# Altium PCB Carte_Alim.PcbDoc (part 2 of 2) (continued)
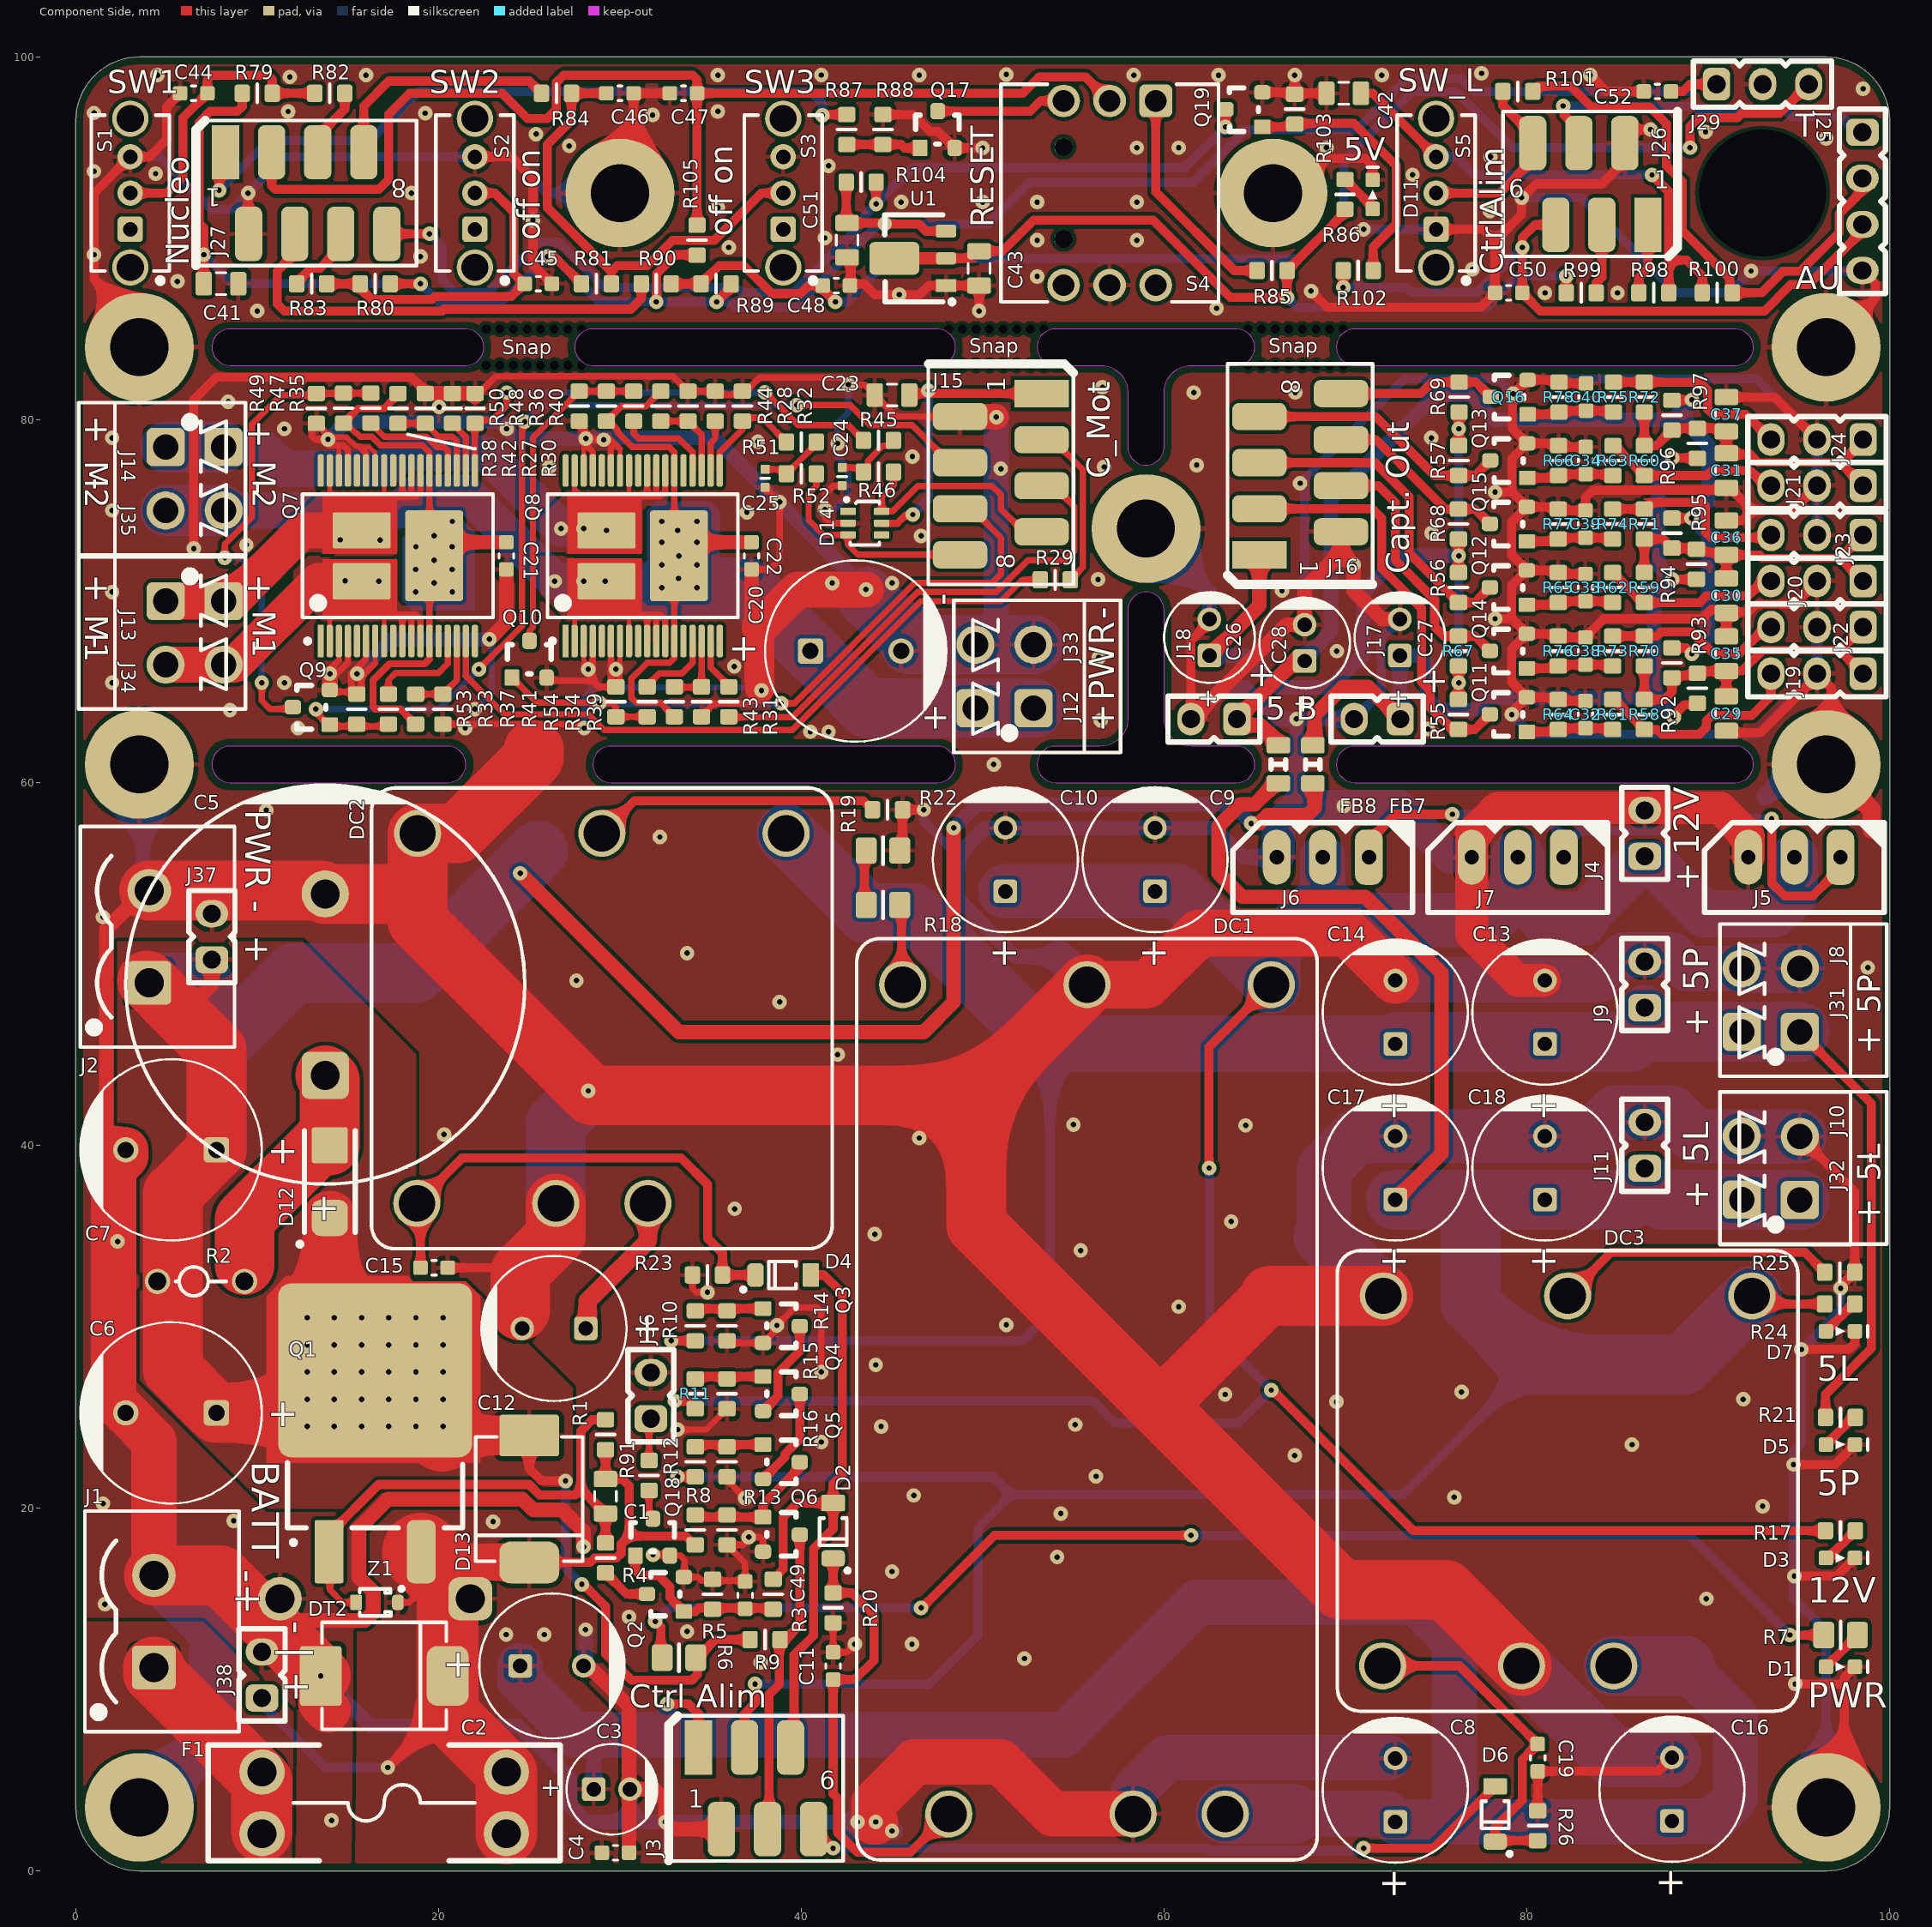
[diagram p0: Component Side view]
## Nets (pads, with @x,y where several pads share a name; then routed paths per layer and width w, separated by ;. In a path a pad name is that pad's centre, name@x,y a point inside that pad or via, vN(x,y) a via of type N, cw(c..) or ccw(c..) an arc to the next point about the centre after c; other vN are vias at no path point) (continued)
NetC38_1: C38.1 Q14.1 R73.2 R76.2 | length 4.7
  Component Side w0.5: Q14.1@79.996,66.297 81.603,66.297 R76.2@81.73,66.425 81.805,66.5 C38.1@83.23,66.5 R73.2@84.655,66.5
NetC39_1: C39.1 Q15.1 R74.2 R77.2 | length 4.7
  Component Side w0.5: Q15.1@79.996,73.297 81.602,73.297 R77.2@81.73,73.425 81.805,73.5 C39.1@83.23,73.5 R74.2@84.655,73.5
NetC40_1: C40.1 Q16.1 R75.2 R78.2 | length 4.7
  Component Side w0.5: Q16.1@80.036,80.297 81.642,80.297 R78.2@81.77,80.425 81.845,80.5 C40.1@83.27,80.5 R75.2@84.695,80.5
NetC44_1: C44.1 R79.1 R82.1 S1.2 | length 16.1
  Component Side w0.5: S1.2@3,92.5 4.995,92.5 5.9,93.405 5.9,96.65 C44.1@7.25,98 7.25,98.75 7.5,99 10.6,99 10.825,98.775 R79.1@10.825,98 R82.1@13.175,98
NetC45_1: C45.1 R80.1 R83.1 S2.2 | length 18.4
  Component Side w0.5: R83.1@13.825,87.5 15.425,87.5 16.298,86.627 19.627,86.627 19.8,86.8 24,86.8 24.7,87.5 24.159,88.041 24.159,91.441 23.1,92.5 S2.2@22,92.5
NetC46_1: C46.1 R81.1 R84.1 S3.2 | length 25.7
  Component Side w0.5: C46.1@29.25,98 R84.1@27.325,98 27.325,96.5 26,95.175 26,91.7 29.525,88.175 ; R81.1@29.525,87.5 29.525,88.175 ; S3.2@39,92.5 37.8,92.5 35.2,89.9 32.9,89.9 31.5,88.5 29.85,88.5 29.525,88.175
NetC48_1: C48.1 J29.3 R89.1 R90.1 | length 74.3
  Component Side w0.5: R90.1@32.825,87.5 R89.1@34.475,87.5 35.475,88.5 36.824,88.5 38.374,86.95 39.95,86.95 40.4,87.4 C48.1@41.175,87.4 41.175,87.2 v1@41.817,86.558 ; v1(89,95) 89,96.175 89.477,96.652 91.607,96.652 91.855,96.9 93.94,96.9 J29.3@95.54,98.5
  Solder Side w0.5: v1(41.874,86.501) 42.501,86.501 44.875,88.875 67.425,88.875 69.925,91.375 69.925,94.325 73.7,98.1 76.1,98.1 79.2,95 v1(89,95)
NetD1_2: D1.2 R7.1 | length 2.5
  Component Side w0.5: D1.2@96.49,11.25 98.225,12.985 R7.1@98.225,13
NetD3_2: D3.2 R17.1 | length 2.2
  Component Side w0.5: D3.2@96.49,17.25 96.615,17.25 R17.1@98.115,18.75
NetD5_2: D5.2 R21.2 | length 2.2
  Component Side w0.5: D5.2@96.49,23.5 97.99,25 R21.2@98.115,25
NetD7_2: D7.2 R24.2 | length 2.2
  Component Side w0.5: D7.2@96.49,29.75 97.99,31.25 R24.2@98.075,31.25
NetD11_2: D11.2 R86.2 | length 2.3
  Component Side w0.5: R86.2@69.975,93.249 70.025,93.249 70.2,93.074 70.2,93.024 71.35,91.874 71.35,91.774 D11.2@71.5,91.624
NetDC1_6: DC1.6 R18.1 | length 4.3
  Component Side w0.5: DC1.6@45.525,48.925 R18.1@45.525,53.25
NetDC2_4: DC2.4 R22.1 | length 15.9
  Component Side w0.5: DC2.4@29,57.2 30.8,59 43.425,59 R22.1@43.925,58.5
NetDC3_4: DC3.4 R25.1 | length 15.6
  Component Side w0.5: DC3.4@82.25,31.7 84.65,34.1 95.325,34.1 R25.1@96.425,33
NetJ19_3: J19.3 R58.1 R61.1 | length 11.7
  Component Side w0.5: R61.1@84.83,64.575 R58.1@86.48,62.925 87.175,62.925 87.45,62.65 89.5,62.65 89.9,63.05 89.9,63.4 90.2,63.7 92.4,63.7 93.46,64.76 J19.3@93.46,66
NetJ20_3: J20.3 R59.1 R62.1 | length 9.9
  Component Side w0.5: R62.1@84.73,71.575 86.38,69.925 89.525,69.925 89.9,70.3 92.2,70.3 93.01,71.11 J20.3@93.46,71.11
NetJ21_3: J21.3 R60.1 R63.1 | length 9.8
  Component Side w0.5: R63.1@84.83,78.575 R60.1@86.48,76.925 89.925,76.925 90.2,77.2 92.297,77.2 93.127,76.37 J21.3@93.46,76.37
NetJ22_3: J22.3 R70.1 R73.1 | length 9.9
  Component Side w0.5: R73.1@84.73,68.075 R70.1@86.48,68.075 87.175,68.075 87.4,68.3 89.1,68.3 90.3,67.1 91.7,67.1 93.17,68.57 J22.3@93.46,68.57
NetJ23_3: J23.3 R71.1 R74.1 | length 10.6
  Component Side w0.5: R74.1@84.73,75.075 R71.1@86.48,75.075 86.855,75.45 89.65,75.45 89.852,75.248 89.852,73.797 90.097,73.552 90.11,73.552 90.158,73.504 93.314,73.504 J23.3@93.46,73.65
NetJ24_3: J24.3 R72.1 R75.1 | length 10.6
  Component Side w0.5: R75.1@84.77,82.075 R72.1@86.48,82.075 89.525,82.075 89.973,81.627 89.973,80.59 90.266,80.297 92.073,80.297 J24.3@93.46,78.91
NetQ2_3: Q2.3 R4.2 | length 2.8
  Component Side w0.5: R4.2@29.2,16.425 30.362,15.263 Q2.3@31.484,15.263
NetQ3_1: Q3.1 R10.1 R14.2 | length 3.6
  Component Side w0.5: R10.1@34.278,31.003 Q3.1@37.884,31.003
NetQ3_3: Q3.3 Q4.2 | length 5.5
  Component Side w0.5: Q4.2@37.884,25.348 38.711,26.175 38.711,27.453 39.916,28.657 Q3.3@39.916,30.037
NetQ4_1: Q4.1 R11.1 R15.2 | length 3.6
  Component Side w0.5: R11.1@34.278,27.253 Q4.1@37.884,27.253
NetQ4_3: Q4.3 Q5.2 | length 5.5
  Component Side w0.5: Q5.2@37.884,21.598 39.089,22.802 39.089,22.976 39.427,23.314 39.44,23.314 39.916,23.791 Q4.3@39.916,26.287
NetQ5_1: Q5.1 R12.1 R16.2 | length 3.6
  Component Side w0.5: R12.1@34.278,23.503 Q5.1@37.884,23.503
NetQ5_3: Q5.3 Q6.1 R8.1 R13.2 | length 7.5
  Component Side w0.5: R8.1@34.272,19.502 Q6.1@37.884,19.502 37.884,20.201 39.916,22.233 Q5.3@39.916,22.537
NetQ7_15: Q7.15 R33.2 | length 5.7
  Component Side w0.35: R33.2@17.234,64.872 17.234,65.648 17.632,66.045 19.982,66.045 20.484,66.547 ; 20.5,66.547 Q7.15@20.5,67.8
NetQ7_16: Q7.16 R37.1 R41.2 | length 4.7
  Component Side w0.35: R37.1@18.734,64.872 R41.2@20.234,64.872 21,65.638 Q7.16@21,67.8
NetQ7_17: Q7.17 R29.2 | length 38.3
  Component Side w0.35: 21.484,65.906 23.632,63.758 28.268,63.758 29.126,62.9 39.49,62.9 46.59,70 51,70 52.175,71.175 R29.2@53.175,71.175 ; 21.5,65.906 Q7.17@21.5,67.8
NetQ7_20: Q7.20 R27.2 | length 2.9
  Component Side w0.35: R27.2@20.758,79.799 21.484,79.073 21.486,79.073 21.5,79.059 Q7.20@21.5,77.2
NetQ7_21: Q7.21 R38.1 R42.2 | length 5.3
  Component Side w0.35: R38.1@17.759,79.8 R42.2@19.259,79.8 19.275,79.8 20.002,79.073 20.743,79.073 21,78.816 Q7.21@21,77.2
NetQ7_22: Q7.22 R35.2 | length 6
  Component Side w0.35: R35.2@16.259,79.815 17.001,79.073 19.327,79.073 19.898,78.502 20.298,78.502 20.5,78.3 Q7.22@20.5,77.2
NetQ8_15: Q8.15 R34.2 | length 4.5
  Component Side w0.35: R34.2@31.5,65.075 R34.2@31.5,65.277 31.5,65.359 32.164,66.023 33.423,66.023 34,66.6 Q8.15@34,67.8
NetQ8_16: Q8.16 R39.1 R43.2 | length 4.1
  Component Side w0.35: R39.1@33,65.075 33.175,65.25 34.5,65.25 R43.2@34.5,65.277 Q8.16@34.5,67.8
NetQ8_17: Q8.17 R31.2 | length 3.1
  Component Side w0.35: Q8.17@35,67.8 35,66.348 36,65.348 R31.2@36,65.277 R31.2@36,65.075
NetQ8_20: Q8.20 R28.2 | length 2.8
  Component Side w0.35: Q8.20@35,77.2 35,78.716 35.25,78.966 R28.2@35.25,79.925
NetQ8_21: Q8.21 R40.1 R44.2 | length 4.5
  Component Side w0.35: R40.1@32.25,79.925 R44.2@33.75,79.925 34.5,79.175 Q8.21@34.5,77.2
NetQ8_22: Q8.22 R36.2 | length 5.4
  Component Side w0.35: R36.2@30.75,79.925 30.75,79.25 31.023,78.977 33.235,78.977 34,78.212 Q8.22@34,77.2
NetQ17_1: Q17.1 R87.2 R88.2 | length 4.1
  Component Side w0.5: R87.2@42.5,95.175 R88.2@44.5,95.175 45.5,95.175 45.691,94.984 Q17.1@46.548,94.984
NetQ17_3: Q17.3 S4.2 | length 7.2
  Component Side w0.5: Q17.3@47.513,97.016 52.616,97.016 53.18,97.58 S4.2@54.46,97.58
NetQ18_3: Q18.3 R91.1 | length 1.6
  Component Side w0.35: R91.1@31.6,20.975 31.6,19.688 Q18.3@31.844,19.444
NetQ19_1: Q19.1 R102.1 R103.2 | length 14.7
  Component Side w0.5: Q19.1@65.416,96.147 67.047,96.147 R103.2@67.2,96.3 ; R103.2@67.237,96.338 70.462,96.338 72.8,94 72.8,90.8 71.525,89.525 R102.1@71.525,88.232
NetR6_2: R6.2 R7.2 | length 71.1
  Component Side w0.5: v1(31.944,13.75) 32.25,13.444 32.25,11.775 R6.2@32.225,11.75 ; v1(46.6,14.5) 46.65,14.5 50.65,18.5 v1(61.48,18.5) ; v1(94.5,13) R7.2@96.375,13 R7.2@96.182,12.807
  Solder Side w0.5: v1(31.944,13.75) 32.694,14.5 v1(46.6,14.5) ; v1(61.48,18.5) 89,18.5 v1(94.5,13)
NetR18_2: R18.2 R19.1 | length 3
  Component Side w0.5: R18.2@43.475,53.25 R19.1@43.475,56.25
NetR85_2: R85.2 S4.1 | length 12.4
  Component Side w0.5: S4.1@59.54,97.58 59.54,92.56 63.875,88.225 R85.2@65.125,88.225
NRST_NUCLEO: C47.1 J27.3 R105.1 S4.A | length 63.9
  Component Side w0.5: J27.3@10.795,94.75 10.795,92.9 10.995,92.7 16.7,92.7 17.25,93.25 17.25,96.85 18.4,98 23.5,98 24.9,96.6 25.983,96.6 26.5,97.117 26.5,98.608 26.892,99 34,99 34.25,98.75 C47.1@34.25,98 ; R105.1@34.25,90.775 C47.1@34.25,98 ; S4.A@57,97.575 55.675,98.9 53.1,98.9 52.2,98 C47.1@34.25,98
nRST_oDrive: J36.1 R91.2 | length 2.2
  Component Side w0.35: R91.2@31.6,22.625 J36.1@31.6,24.83
PWR: C6.1 C7.1 C20.1 C21.2 C22.2 D12.2 D13.1 FB7.1 J2.1 J12.1 J33.1 J37.1 Q1.4 Q7.13 Q7.24 Q7.37 Q8.13 Q8.24 Q8.37 R2.1 R6.1 R9.2 R37.2 R38.2 R39.2 R40.2 R47.2 R48.2 | length 254.2
  Component Side w0.35: R47.2@14.759,79.815 14.885,79.815 15.435,79.265 15.482,79.265 15.681,79.066 16.333,79.066 16.803,78.596 19.104,78.596 19.5,78.2 Q7.24@19.5,77.2 Q7.37@19.5,72.75 ; 19.5,66.798 Q7.13@19.5,67.8 Q7.37@19.5,72.25 ; R40.2@32.25,81.575 31.425,80.75 30.075,80.75 R48.2@29.25,79.925 29.371,79.925 29.875,79.421 29.875,79.3 30.675,78.5 32.712,78.5 33,78.212 Q8.24@33,77.2 Q8.37@33,72.75 ; R39.2@33,63.628 32.228,64.4 30.9,64.4 30.625,64.675 30.625,64.696 30.626,64.697 30.626,65.731 31.493,66.598 32.728,66.598 33,66.87 33,71.25 33,72.25 v1(33.25,72.5)
  Component Side w0.4: R47.2@14.759,79.815 15.569,80.625 17.009,80.625 17.759,81.375 R38.2@17.759,81.45 ; R37.2@18.734,63.222 17.909,64.047 16.518,64.047 16.384,64.182 16.384,65.64 17.292,66.547 19.234,66.547 19.484,66.798
  Component Side w0.5: D13.1@25,24 25,22.175 25.675,21.5 v1(27,21.5) ; v1(27.9,15.8) 27.981,15.8 29.2,14.581 29.2,11.95 30.65,10.5 33.95,10.5 34.275,10.825 34.275,11.75 35.275,12.75 R9.2@37.175,12.75
  Component Side w0.8: 5.835,47.175 5.835,47.195 7.5,48.86 J37.1@7.5,50.23 ; Q7.37@20.5,73.25 C21.2@23.735,73.25 ; v1(24.5,55) 33.25,46.25 46.75,46.25 48.4,47.9 v1(48.4,57.5) ; Q8.37@34,73.25 v1(34.25,73.25) C22.2@37.25,73.25 ; v1(64.801,57.75) 65.255,57.75 65.705,58.2 67.9,58.2 68.3,58.6 FB7.1@68.3,59.7
  Component Side w2: Q1.4@20.2,24 D13.1@25,24
  Component Side w3: D12.2@14,36 14,30.5 14,30.45 Q1.4@15.25,29.2
  Component Side w3.3: J2.1@3.925,49.085 J2.1@4.05,48.96 5.835,47.175 7.75,45.26 C7.1@7.75,39.75 5.35,37.35 5.35,27.65 C6.1@7.61,25.39 ; C6.1@7.75,25.25 Q1.4@14.3,25.25
  Component Side w4: Q1.4@16.5,27.7 Q1.4@20.2,24
  Solder Side w0.5: v1(27,21.5) 27,16.675 27.875,15.8 v1(27.9,15.8)
  Solder Side w0.8: v1(48.4,57.5) 49.7,58.8 63.751,58.8 v1(64.801,57.75)
  Solder Side w3.3: J2.1@4.05,48.96 7.04,48.96 ; C7.1@7.75,39.75 7.75,45.25 12,49.5 18.75,49.5 25.5,56.25 ; v1@32.25,70.75 v1(32.302,70.75) v1(34.25,70.75) 37,70.75 43.65,64.1 J12.1@49.6,64.1 J33.1@52.8,64.1
  other v1: 12.75,24.5 14.25,24.5 15.75,24.5 17.25,24.5 18.75,24.5 20.25,24.5 12.75,26 14.25,26 15.75,26 17.25,26 18.75,26 20.25,26 12.75,27.5 14.25,27.5 15.75,27.5 17.25,27.5 18.75,27.5 20.25,27.5 12.75,29 14.25,29 15.75,29 17.25,29 18.75,29 20.25,29 12.75,30.5 14.25,30.5 15.75,30.5 17.25,30.5 18.75,30.5 20.25,30.5 18.734,70.5 20.759,70.5 19.75,71 33.235,71.25 18.734,71.75 20.743,71.75 32.302,72 34.25,72 19.75,72.25 18.75,73 20.743,73 32.3,73.25 19.75,73.599 33.175,73.9 20.759,74.396 32.302,74.396 34.25,74.396
PWR_CAP: C27.1 FB7.2 J17.1 R93.1 R95.1 R97.1 | length 47.8
  Component Side w0.5: v1(88.025,71.2) R95.1@89.35,71.2 ; v1(88.025,77.9) R97.1@89.4,77.9 ; v1(88.1,63.6) 88.1,63.7 88.7,64.3 R93.1@89.4,64.3
  Component Side w0.8: FB7.2@68.3,62.3 68.3,63.71 69.867,65.277 71.243,65.277 J17.1@73.02,63.5
  Solder Side w0.8: J17.1@73.02,63.5 73,63.52 C27.1@73,67 74.05,67 74.5,66.55 74.5,64.675 75.175,64 77.114,64 77.791,64.677 87.023,64.677 87.025,64.675 ; v1(88.025,77.9) 87.25,77.125 87.25,71.975 v1(88.025,71.2) 87.025,70.2 87.025,64.675 ; v1(88.1,63.6) 87.025,64.675
SR_OD: C49.2 Q2.1 Q18.1 R3.2 R5.1 | length 9.7
  Component Side w0.5: Q18.1@30.847,17.38 30.847,16.553 31.11,16.29 32.11,16.29 32.75,15.65 32.75,15.064 Q2.1@33.516,14.297 34.15,14.297 34.353,14.5 35.1,14.5 36.7,14.5 R3.2@38.375,14.5
SW_1: J27.5 R82.2 | length 3.9
  Component Side w0.5: J27.5@13.335,94.75 13.335,95.635 14.825,97.125 R82.2@14.825,98
SW_2: J27.6 R83.2 | length 4
  Component Side w0.5: R83.2@12.175,87.5 12.175,87.55 12.977,88.352 13.457,88.352 14.605,89.5 J27.6@14.605,90.25
SW_3: J27.7 R84.2 | length 13.2
  Component Side w0.5: J27.7@15.875,94.75 15.875,97.3 17.25,98.675 25,98.675 R84.2@25.675,98
SW_AU: C50.1 D2.1 D4.1 J3.5 J25.3 J26.5 R3.1 R102.2 | length 73.9
  Component Side w0.5: R3.1@38.45,16.075 38.5,16.075 38.675,16.25 38.675,16.3 39,16.625 39,19.495 39.78,20.275 D2.1@41.75,20.275 ; J3.5@39.405,6.8 39.6,6.995 39.6,11.9 40.675,12.975 40.675,17.775 41.75,18.85 D2.1@41.75,20.275 ; D4.1@40.525,32.85 41.25,32.85 42.25,31.85 42.25,21.834 41.75,21.334 D2.1@41.75,20.275 ; R102.2@69.859,88.216 R102.2@69.875,88.232 v1(69.875,87.3) ; J26.5@81.595,90.75 80.45,90.75 79.75,90.05 v1(79.75,89.5) C50.1@79.75,87 80.75,86 93.1,86 94.55,87.45 95.55,87.45 98.5,90.4 J25.3@98.5,90.77 ; J25.3@98.5,91 J25.3@98.5,91.27
  Solder Side w0.5: v1(69.875,87.3) 73.4,87.3 73.677,87.023 77.273,87.023 v1(79.75,89.5)
SW_L: D6.1 J3.6 J26.6 R101.1 S5.2 | length 49.9
  Component Side w0.5: J3.6@40.675,2.3 41.725,1.25 v1(41.75,1.25) ; v1(71,1.25) 74.835,1.25 D6.1@78.25,4.665 ; S5.2@75,92.5 78.5,92.5 80.325,94.325 J26.6@80.325,95.25 80.325,95.675 78.675,97.325 R101.1@78.675,98.1
  Solder Side w0.5: v1(41.75,1.25) 62.393,1.25 62.53,1.113 70.64,1.113 v1@70.777,1.25
SW_TIRETTE: J27.4 R90.2 | length 25.6
  Component Side w0.5: J27.4@12.065,90.25 12.065,89.157 11.1,88.192 11.1,86.4 11.5,86 20.2,86 20.3,86.1 30.6,86.1 31.175,86.675 R90.2@31.175,87.5
VBATT: C1.2 C2.1 C3.1 C4.2 C8.1 C12.1 C16.1 D13.2 DC1.1 DC2.1 DC3.1 DT2.2 F1.2 F1.4 J3.1 J26.1 J38.1 pad.0@21.75,15 Q1.3 R1.2 R8.2 R98.1 Z1.2 | length 183.3
  Component Side w0.35: Z1.2@17.75,14.8 18.375,14.8 19.04,15.465
  Component Side w0.5: v1(17.2,5.7) 20.343,8.842 ; 19.04,15.465 Q1.3@19.04,17.6 ; D13.2@25.5,17.014 28.356,17.014 28.592,17.25 29.808,17.25 30.07,17.512 30.07,18.02 30.502,18.452 ; C1.2@29.2,21.6 R1.2@29.2,23.225 ; C1.2@29.228,21.6 29.228,21.598 30.137,21.598 30.502,21.233 30.502,18.452 ; v1(32.6,9.2) 33.783,9.2 34.325,8.658 J3.1@34.325,6.8 ; R8.2@34.15,17.975 34.1,17.975 33.623,18.452 30.502,18.452 ; R98.1@86.175,87 86.175,87.858 86.675,88.358 J26.1@86.675,90.75
  Component Side w1: C12.1@28.21,29.9 28.21,31.406 31.54,34.736 DC2.1@31.54,36.8
  Component Side w2: 20.5,16.14 21.385,17.025 24.975,17.025 D13.2@25,17
  Component Side w3.4: 20.343,8.842 F1.2@23.735,5.45 F1.4@23.735,2.05 ; 20.5,8.685 DT2.2@20.5,10.75 20.5,16.14
  Component Side w4.3: Q1.3@19.04,17.6 20.5,16.14
  Solder Side w0.5: J38.1@10.265,9.53 10.265,9.195 13.76,5.7 v1(17.2,5.7) ; 32.6,7.5 v1(32.6,9.2)
  Solder Side w0.8: C3.1@28.55,4.5 28.55,6.25
  Solder Side w2.5: C2.1@24.5,11.3 24.5,10.5 27.5,7.5 32.6,7.5 54.5,7.5 61.8,14.8 73.9,14.8 76,12.7 76,3 76.3,2.7 ; 67.1,3.14 72.31,3.14 C8.1@72.75,2.7 76.3,2.7 ; C16.1@88,2.7 76.3,2.7 ; C16.1@88,2.75 90.25,2.75 91.5,4 91.5,8.5 88.7,11.3
  Solder Side w3.3: DC1.1@63.37,3.14 67.1,3.14 ; DC3.1@84.79,11.3 88.7,11.3
  other v1: 23.725,13.025 25.825,13.025 23,19.25
VBATT_CLAV: C42.2 R98.2 R100.1 S5.3 | length 27.9
  Component Side w0.5: C42.2@70.85,98 71.5,98 S5.3@75,94.5 ; v1(86.9,93.5) 87.825,92.575 87.825,88.8 ; R98.2@87.825,87 87.825,88.8 ; R100.1@89.675,87 89.675,87.925 88.8,88.8 87.825,88.8
  Solder Side w0.5: S5.3@75,94.5 76.108,94.5 77.108,93.5 v1(86.9,93.5)
pads on no net: D14.1 D14.4 Q7.1 Q7.5 Q7.9 Q7.14 Q7.18 Q7.23 Q7.28 Q7.32 Q7.36 Q8.1 Q8.5 Q8.9 Q8.14 Q8.18 Q8.23 Q8.28 Q8.32 Q8.36 S1.1 S1.None S2.1 S2.None S3.1 S3.None S4.3 S4.4 S4.MH1 S4.MH2 S5.None

## Polygon pours and split planes (outlines as drawn)
GND on Component Side "GND_Bot" (solid, pour order 46): 3.5,0 96.5,0 ccw(c96.5,3.5) 100,3.5 100,96.5 ccw(c96.5,96.5) 96.5,100 3.5,100 ccw(c3.5,96.5) 0,96.5 0,3.5 ccw(c3.5,3.5)
VBATT on Component Side "VBATT_1" (solid, pour order 31): 30.048,0 15.39,0 15.5,9.75 15.5,19.4 16.25,20.15 25.67,20.15 27.347,18.472 27.347,11 30.048,8.3
PWR on Component Side "PWR_1" (solid, pour order 32): 1.75,51.25 12.515,51.25 18.75,45.015 18.75,40 18.75,35.275 27.4,26.625 27.4,21.263 26.106,19.97 10.603,19.97 2.073,28.5 1.75,28.823
BATT_P on Component Side "BATT_P" (solid, pour order 29): 12,8.75 11.901,0 0,0 0,13.75 7,13.75
MOT1_P on Component Side "MOT1_P_bot" (solid, pour order 44): 17,72.5 17.5,72.5 17.75,72.75 17.75,75 18,75.25 18.5,75.25 19,75.25 19.25,75.5 19.25,78.25 16.75,78.25 16.75,76.25 14.293,76.25 14.293,78.25 13.75,78.25 13.5,78 13.5,76 12,74.5 12,72.5 17.5,72.5
MOT2_P on Component Side "MOT2_P_bot" (solid, pour order 42): 30.5,72.5 31,72.5 31.25,72.75 31.25,75 31.5,75.25 32,75.25 32.5,75.25 32.75,75.5 32.75,78.25 30.25,78.25 30.25,76.25 27.793,76.25 27.793,78.25 27.25,78.25 27,78 27,76 25.5,74.5 25.5,72.5 31,72.5
MOT1_N on Component Side "MOT1_N_bot" (solid, pour order 43): 17,72.5 17.5,72.5 17.75,72.25 17.75,70 18,69.75 18.5,69.75 19,69.75 19.25,69.5 19.25,66.75 16.75,66.75 16.75,68.75 14.293,68.75 14.293,66.75 13.75,66.75 13.5,67 13.5,69 12,70.5 12,72.5 17.5,72.5
MOT2_N on Component Side "MOT2_N_bot" (solid, pour order 41): 30.5,72.5 31,72.5 31.25,72.25 31.25,70 31.5,69.75 32,69.75 32.5,69.75 32.75,69.5 32.75,66.75 30.25,66.75 30.25,68.75 27.793,68.75 27.793,66.75 27.25,66.75 27,67 27,69 25.5,70.5 25.5,72.5 31,72.5
PWR on Solder Side "PWR_3" (solid, pour order 34): 28.5,62 21.5,62 23.304,63.804 23.304,68.196 23.05,68.45 12.875,68.45 11.875,69.45 11.875,75.5 21.5,75.5 27,70 28.5,70 31.296,72.796 31.296,76.921 31.85,77.475 36.05,77.475 36.375,77.15 36.375,74.659 36.517,74.517 45.284,65.75 54.75,65.75 55.5,65 55.5,63.5 54.5,62.5 42.506,62.5 38.006,67 27.5,67 27.5,62.77
GND on Solder Side "GND_Top" (solid, pour order 45): 3.5,0 96.5,0 ccw(c96.5,3.5) 100,3.5 100,96.5 ccw(c96.5,96.5) 96.5,100 3.5,100 ccw(c3.5,96.5) 0,96.5 0,3.5 ccw(c3.5,3.5)
PWR on Solder Side "PWR_2" (solid, pour order 33): 2,51 2,41.5 5.5,38 9,38 11.576,38 28.576,55 28.576,62 21.432,62 21.432,57.432 16,52 3,52
VBATT on Solder Side "VBATT_2" (solid, pour order 30): 28.565,38.65 29.165,39.25 33.8,39.25 34.4,38.65 34.4,35.025 30.035,30.66 30.035,25.252 27.375,22.592 27.375,11.9 30.075,9.2 37.6,9.2 53.7,9.2 61.2,16.7 86.1,16.7 92.8,10 92.8,2.8 91,1 62.8,1 53.4,1 47.3,1 44.8,3.5 32.25,3.5 31.5,4.25 28.926,4.25 23.361,9.5 20.8,9.5 18.9,9.5 18.4,10 18.4,18.65 26.3,26.55 26.3,32.89 28.565,35.079
5P on Solder Side "5P_1" (solid, pour order 36): 98,47 98,44.5 96,42.5 46.5,42.5 37,52 37,58 37.8,58.8 42.811,58.8 54.021,47.59 84.091,47.59 85.361,48.86 88.077,48.86 88.937,48 96.195,48 97,48
MOT2_P on Solder Side "MOT2_P" (solid, pour order 39): 30.75,75 31,74.75 31,73 30.75,72.75 26.75,72.75 26.5,72.75 22.5,76.75 22.25,77 18.25,77 17.5,76.25 8.75,76.25 8,77 4.75,77 3.75,78 3.75,79 4.5,79.75 8.75,79.75 10.25,78.25 15.75,78.25 16.5,78.25 17.5,79.25 23,79.25 27.25,75
12V on Solder Side "12V_1" (solid, pour order 37): 98,54.5 98,52.525 96.975,51.5 97,51.5 84.567,51.5 83.777,50.71 69.2,50.71 68,49.51 68,48.586 66.497,47.084 64.966,47.084 60.55,51.5 52.5,51.5 51.55,51.5 49.5,53.55 49.5,55.5 50,56 62.486,56 64.386,54.1 66.134,54.1 67.034,55 67.034,56.831 68.202,58 96.5,58 98,56.5 98,52.5
MOT2_N on Solder Side "MOT2_N" (solid, pour order 40): 30.5,72.5 30.75,72.25 30.75,70.75 30,70 26,70 21,75 19.25,75 18,73.75 4.5,73.75 3.75,74.5 3.75,75.5 4.5,76.25 23,76.25 26.75,72.5
PWR on Solder Side "PWR_4" (solid, pour order 35): 6.35,27.6 11.925,33.175 21.6,33.175 23.125,31.65 23.125,23.551 18.424,18.85 10.525,18.85 6.35,23.025
5L on Solder Side "5L_1" (solid, pour order 38): 97.5,37.5 97.5,34 89,25.5 79.347,25.5 79,25.5 70,34.5 70,38.675 71.325,40 95,40

## Other copper
Component Side:
  region net PWR: 22.3,22.5 22.3,31.7 21.5,32.5 18.6,32.5 18.3,32.8 11.6,32.8 10.5,31.7 10.5,22.5
  region net MOT1_P: 17.7,72.6 17.7,75.9 13.6,75.9 13.6,72.6
  region net MOT2_P: 31.2,72.6 31.2,75.9 27.1,75.9 27.1,72.6
  region net MOT1_N: 17.7,72.3 17.7,69.1 13.6,69.1 13.6,72.3
  region net MOT2_N: 31.2,72.361 31.2,69.1 27.1,69.1 27.1,72.361
  region net PWR: 10.625,22.4
Solder Side:
  region net PWR: 18,73.5 19.268,74.768 21.021,74.768 22,73.788 22,69.5 18.5,69.5 18,70
  region net PWR: 31.5,75 32,75.5 35,75.5 35.5,75 35.5,70.39 35,69.89 32,69.89 31.5,70.39
  region net GND: 42.594,3.296 44.704,3.296 45.6,2.4 45.6,2 45.309,1.709 42.578,1.709 41.984,2.303 41.984,2.686 42.594,3.296

## Silkscreen, mask and mechanical layers (free items; w line width, h text height)
Top Overlay:
  lines w0.2: 18.3,79.2 22,78.4
  text "SW_L" at 72.9,98.1 h1.27
  text "SW1" at 1.75,98 h1.27
  text "SW2" at 19.5,98 h1.27
  text "SW3" at 36.85,98 h1.27
  text "T" at 94.8,95.6 h1.27
  text "5V" at 69.9,94.3 h1.27
  text "RESET" at 50.6,90.6 h1.27 r90
  text "off on" at 36.2,90.1 h1.27 r90
  text "off on" at 25.6,89.9 h1.27 r90
  text "Nucleo" at 6.23,88.5 h1.27 r90
  text "CtrlAlim" at 78.676,88 h1.27 r90
  text "AU" at 94.8,87.2 h1.27
  text "Snap" at 49.25,83.678 h0.8
  text "Snap" at 65.75,83.678 h0.8
  text "Snap" at 23.5,83.614 h0.8
  text "+   -" at 0.5,80.25 h1.4 r270
  text "+   -" at 9.5,80 h1.4 r270
  text "M2" at 0.5,77.75 h1.27 r270
  text "M2" at 9.75,77.75 h1.27 r270
  text "C_Mot" at 57,76.75 h1.27 r90
  text "+   -" at 0.5,71.5 h1.4 r270
  text "+   -" at 9.5,71.5 h1.4 r270
  text "Capt. Out" at 73.5,71.5 h1.27 r90
  text "-" at 48.4,69.75 h1.4 r90
  text "M1" at 9.75,69.5 h1.27 r270
  text "M1" at 0.5,69.25 h1.27 r270
  text "-" at 57.25,69 h1.4 r90
  text "+" at 66,65.1 h1.4 r90
  text "+" at 75.5,64.77 h1.4 r90
  text "PWR" at 57.25,64.5 h1.4 r90
  text "5 B" at 65.594,63.457 h1.27
  text "+" at 48,62.75 h1.4 r90
  text "+" at 57.25,62.75 h1.4 r90
  text "PWR -  +" at 9.35,58.5 h1.4 r270
  text "12V" at 89.5,56 h1.4 r90
  text "+" at 89.5,54 h1.4 r90
  text "5P" at 90,48.5 h1.4 r90
  text "5P" at 99.5,47.25 h1.27 r90
  text "+" at 90,46 h1.4 r90
  text "+   -" at 99.5,45 h1.4 r90
  text "5L" at 90,39 h1.4 r90
  text "5L" at 99.5,38 h1.27 r90
  text "+" at 90,36.5 h1.4 r90
  text "+   -" at 99.5,35.5 h1.4 r90
  text "5L" at 96,27 h1.4
  text "BATT" at 9.7,22.6 h1.52 r270
  text "5P" at 96,20.703 h1.4
  text "-+" at 8.8,16.6 h1.52 r270
  text "12V" at 95.5,14.797 h1.4
  text "- | +" at 11.5,13.8 h1.52 r270
  text "Ctrl Alim" at 30.5,9 h1.27
  text "PWR" at 95.5,9 h1.4
Bottom Overlay:
  drawing of 157 lines, arcs and shapes, not listed
  text "Ctrl_Nucleo" at 18.5,98 h1.27
  text "Ctrl_Alim" at 87.45,97.35 h1.27
  text "2" at 8,97 h1.27 r90
  text "3" at 10.25,97 h1.27 r90
  text "4" at 12.25,97 h1.27 r90
  text "5" at 14.5,97 h1.27 r90
  text "6" at 16.5,97 h1.27 r90
  text "7" at 18.5,97 h1.27 r90
  text "8" at 20.5,97 h1.27 r90
  text "1" at 6,96.75 h1.27 r90
  text "2" at 79.7,96.6 h1.27 r90
  text "3" at 81.95,96.6 h1.27 r90
  text "4" at 83.95,96.6 h1.27 r90
  text "5" at 86.2,96.6 h1.27 r90
  text "6" at 88.2,96.6 h1.27 r90
  text "1" at 77.7,96.35 h1.27 r90
  text "Tirette" at 63.225,95.325 h1.27
  text "LED" at 6,95.25 h1.27 r90
  text "GND" at 8,95.25 h1.27 r90
  text "NRSt" at 10.25,95.25 h1.27 r90
  text "Tirette" at 12.25,95.25 h1.27 r90
  text "SW1" at 14.5,95 h1.27 r90
  text "SW2" at 16.5,95 h1.27 r90
  text "SW3" at 18.5,95 h1.27 r90
  text "AUStt" at 20.5,95 h1.27 r90
  text "VBAT" at 77.7,94.85 h1.27 r90
  text "GND" at 79.7,94.85 h1.27 r90
  text "5L" at 81.95,94.85 h1.27 r90
  text "LED_AU" at 83.95,94.85 h1.27 r90
  text "SW_AU" at 86.2,94.6 h1.27 r90
  text "SW_L" at 88.2,94.6 h1.27 r90
  text "2|GND" at 59,94.4 h1.27 r90
  text "3|SIG" at 61,94.4 h1.27 r90
  text "1|3V3" at 56.8,94.2 h1.27 r90
  text "AU_NC" at 92.6,87.4 h1.27
  text "Carte Clavier 2020" at 52.769,86 h2.5
  text "Goldorak Audran" at 25.5,85.9 h2
  text "LED AU" at 93.4,85.6 h1.27
  text "Ctrl_MOT" at 55,81 h1.27
  text "Capt. out" at 81.5,80.75 h1.27
  text "Capt. In" at 93.75,80.75 h1.27
  text "M2_PWM" at 42.75,79 h1.27
  text "5" at 44.75,79 h1.27
  text "VCC" at 53.5,79 h1.27
  text "1" at 55,79 h1.27
  text "Capt.3" at 69.25,78.75 h1.27
  text "5" at 71.25,78.75 h1.27
  text "VCC" at 80,78.75 h1.27
  text "1" at 81.5,78.75 h1.27
  text "6" at 91.25,78.25 h1.27
  text "PWR (not GND!)" at 30.25,78 h1.27
  text "M2_DIR" at 42.75,77 h1.27
  text "6" at 44.75,77 h1.27
  text "GND" at 53.5,77 h1.27
  text "2" at 55.25,77 h1.27
  text "Capt.4" at 69.25,76.75 h1.27
  text "6" at 71.25,76.75 h1.27
  text "GND" at 80,76.75 h1.27
  text "2" at 81.75,76.75 h1.27
  text "M2" at 1,75.75 h1.27 r270
  text "5" at 91.25,75.75 h1.27
  text "M1_CS" at 42.75,75 h1.27
  text "7" at 44.75,75 h1.27
  text "M1_PWM" at 53.5,74.75 h1.27
  text "3" at 55.25,74.75 h1.27
  text "Capt.5" at 69.25,74.75 h1.27
  text "7" at 71.25,74.75 h1.27
  text "Capt.1" at 80,74.5 h1.27
  text "3" at 81.75,74.5 h1.27
  text "-   +" at 0.75,74 h1.27 r270
  text "4" at 91.25,73 h1.27
  text "M2_CS" at 42.75,72.75 h1.27
  text "8" at 44.75,72.75 h1.27
  text "M1_DIR" at 53.5,72.75 h1.27
  text "4" at 55.25,72.75 h1.27
  text "Capt.6" at 69.25,72.5 h1.27
  text "8" at 71.25,72.5 h1.27
  text "Capt.2" at 80,72.5 h1.27
  text "4" at 81.75,72.5 h1.27
  text "3" at 91.25,70.5 h1.27
  text "-    +" at 57,70 h1.27 r90
  text "Carte Capteurs 2020" at 88.75,70 h2.5
  text "PWR" at 56.75,68 h1.27 r90
  text "Goldorak" at 84.7,68 h2
  text "2" at 91.25,68 h1.27
  text "M1" at 1,67.5 h1.27 r270
  text "Sig" at 89,66.75 h1.27
  text "Audran" at 82.5,66.25 h2
  text "- +" at 61.25,66 h1.27 r180
  text "5L" at 66.55,66 h1.27
  text "- +" at 70.5,66 h1.27 r180
  text "PWR" at 72,66 h1.27
  text "Carte Moteur 2020" at 36.5,65.5 h2.5
  text "1" at 91,65.5 h1.27
  text "-   +" at 0.75,65.25 h1.27 r270
  text "GND" at 89,64.5 h1.27
  text "Goldorak - Audran" at 34.75,63.5 h2
  text "V+" at 89,62.5 h1.27
  text "- +" at 89,58.75 h1.27 r90
  text "12V" at 90.75,58.75 h1.27 r90
  text "-    +" at 7.5,54.8 h1.27 r90
  text "-    +" at 16.5,52.75 h1.27 r90
  text "-   +" at 98.75,51 h1.27 r90
  text "GND" at 76.5,50.25 h1.27 r270
  text "12V" at 79.25,50.25 h1.27 r270
  text "PWR" at 8.9,49.8 h1.27 r270
  text "Data" at 82,49.5 h1.27 r270
  text "5P" at 98.25,49.25 h1.27 r90
  text "I got the POWER !!" at 48,44.13 h2.7
  text "Capa 10mF" at 17.25,43.75 h1.27 r270
  text "-   +" at 98.75,41.75 h1.27 r90
  text "5L" at 98.25,40 h1.27 r90
  text "PWR (not GND!)" at 27.2,33.7 h1.27
  text "-" at 30.2,26.8 h1.27
  text "oDrive" at 20.2,18.1 h1.27
  text "-   +" at 13.8,17.5 h1.27 r180
  text "-    +" at 2.5,17.3 h1.27 r90
  text "Carte Alimentation 2020" at 72.25,15.25 h2.5
  text "Goldorak - Audran" at 69.25,12.75 h2.5
  text "- +" at 12.5,12.4 h1.27 r90
  text "BATT" at 6.2,11.5 h1.27 r270
  text "Ctrl_Alim" at 43,10.5 h1.27
  text "2" at 35.25,9.75 h1.27 r90
  text "3" at 37.5,9.75 h1.27 r90
  text "4" at 39.5,9.75 h1.27 r90
  text "5" at 41.75,9.75 h1.27 r90
  text "6" at 43.75,9.75 h1.27 r90
  text "1" at 33.25,9.5 h1.27 r90
  text "Jauge" at 13.4,8.9 h1.27 r270
  text "nRST oDrive" at 29.4,8.5 h1.27 r270
  text "VBAT" at 33.25,8 h1.27 r90
  text "GND" at 35.25,8 h1.27 r90
  text "5L" at 37.5,8 h1.27 r90
  text "LED_AU" at 39.5,8 h1.27 r90
  text "SW_AU" at 41.75,7.75 h1.27 r90
  text "SW_L" at 43.75,7.75 h1.27 r90
  text "Fuse type:" at 23.6,7.45 h1.27
  text "Du feu jaillit la fumee" at 98.2,6.8 h1.27 r270
  text "ATO 257" at 21.6,5.2 h1.27
  text "ATC" at 21.6,3.2 h1.27
  text "Mini 897" at 21.6,1.45 h1.27
Bottom Solder:
  region: 11.775,73.831 11.775,69.55 12.925,68.4 24.275,68.4 25.025,69.15 25.025,70.775 21,74.8 19.3,74.8 18.3,73.8 17.3,73.8 17.3,71 16.85,70.55 14.613,70.562 14.025,71.15 14.025,73.831
  region: 11.75,32.75 19.75,32.75 22.5,30 22.5,23.5 19.75,20.75 11.75,20.75 9,23.5 9,30
  region: 31.851,77.477 35.051,77.477 36.375,76.154 36.375,73.1 38.276,71.199 38.276,69.927 37.601,69.252 30.801,69.252 30.276,69.778 30.276,71.777 31.297,72.798 31.297,76.923
Board Outline:
  the board outline again, w0.1
Bottom Construction:
  lines w2: 8.5,61 20.5,61 ; 8.5,84 21.5,84 ; 28.5,84 47.5,84 ; 29.5,61 47.5,61 ; 54,61 64,61 ; 54,84 64,84 ; 56.5,61 ccw(c56.5,63.5) 59,63.5 ; 56.5,84 cw(c56.5,81.5) 59,81.5 ; 59,69.5 59,63.5 ; 59,78.5 59,81.5 ; 61.5,61 cw(c61.5,63.5) 59,63.5 ; 61.5,84 ccw(c61.5,81.5) 59,81.5 ; 70.5,61 91.5,61 ; 70.5,84 91.5,84

## Dimensions
0,96.5 to 58,81 on Dimension
100,96.5 to 60,81 on Dimension
91,60 to 96.5,0 on Dimension
91,85 to 96.5,100 on Dimension
91,62 to 91,83 on Dimension
0,3.5 to 100,3.5 on Dimension
3.5,0 to 3.5,100 on Dimension

## Text inside footprints (layer, text, board x,y; h text height)
C2: Top Overlay "+" at 21.95,12 h1.5 r180; Top 3D Body "+" at 23.5,12.05 h1.5 r180
C3: Top Overlay "+" at 26.75,5 h1 r180; Top 3D Body "+" at 27.75,4.9 h0.8 r180
C5: Top Overlay "+" at 13.05,37.36 h1.5 r270; Top 3D Body "+" at 13.05,39.56 h1.5 r270
C6: Top Overlay "+" at 10.55,24.5 h1.5; Top 3D Body "+" at 8.85,24.55 h1.5
C7: Top Overlay "+" at 10.55,39 h1.5; Top 3D Body "+" at 8.85,39.05 h1.5
C8: Top Overlay "+" at 72.05,0.15 h1.5 r270; Top 3D Body "+" at 72,1.7 h1.5 r270
C9: Top Overlay "+" at 58.8,51.45 h1.5 r270; Top 3D Body "+" at 58.75,53 h1.5 r270
C10: Top Overlay "+" at 50.55,51.45 h1.5 r270; Top 3D Body "+" at 50.5,53 h1.5 r270
C12: Top Overlay "+" at 30.66,29.2 h1.5; Top 3D Body "+" at 29.11,29.15 h1.5
C13: Top Overlay "+" at 80.3,43.04 h1.5 r270; Top 3D Body "+" at 80.25,44.59 h1.5 r270
C14: Top Overlay "+" at 72.05,43.04 h1.5 r270; Top 3D Body "+" at 72,44.59 h1.5 r270
C16: Top Overlay "+" at 87.3,0.2 h1.5 r270; Top 3D Body "+" at 87.25,1.75 h1.5 r270
C17: Top Overlay "+" at 72.05,34.45 h1.5 r270; Top 3D Body "+" at 72,36 h1.5 r270
C18: Top Overlay "+" at 80.3,34.45 h1.5 r270; Top 3D Body "+" at 80.25,36 h1.5 r270
C20: Top Overlay "+" at 37.7,68 h1.5 r180; Top 3D Body "+" at 39.4,67.95 h1.5 r180
C26: Top Overlay "+" at 62,65.2 h1 r270; Top 3D Body "+" at 62.1,66.2 h0.8 r270
C27: Top Overlay "+" at 72.5,65.2 h1 r270; Top 3D Body "+" at 72.6,66.2 h0.8 r270
C28: Top Overlay "+" at 67.25,64.9 h1 r270; Top 3D Body "+" at 67.35,65.9 h0.8 r270
D1: Top 3D Body "K" at 98.79,11.55 h1 r180
D3: Top 3D Body "K" at 98.79,17.55 h1 r180
D5: Top 3D Body "K" at 98.79,23.8 h1 r180
D7: Top 3D Body "K" at 98.79,30.05 h1 r180
D11: Top 3D Body "K" at 71.2,93.924 h1 r270
J3: Top Overlay "6" at 41,4.5 h1; Top Overlay "1" at 33.75,3.5 h1
J15: Top Overlay "8" at 51.75,71.75 h1 r90; Top Overlay "1" at 51.25,81.5 h1 r90
J16: Top Overlay "8" at 66.5,82.25 h1 r270; Top Overlay "1" at 67.5,72.25 h1 r270
J26: Top Overlay "6" at 79,92.25 h1; Top Overlay "1" at 87,92.75 h1
J27: Top Overlay "8" at 18.25,93.25 h1 r180; Top Overlay "1" at 8,92.75 h1 r180